# KiCad board RP2040_motor.kicad_pcb (continued)
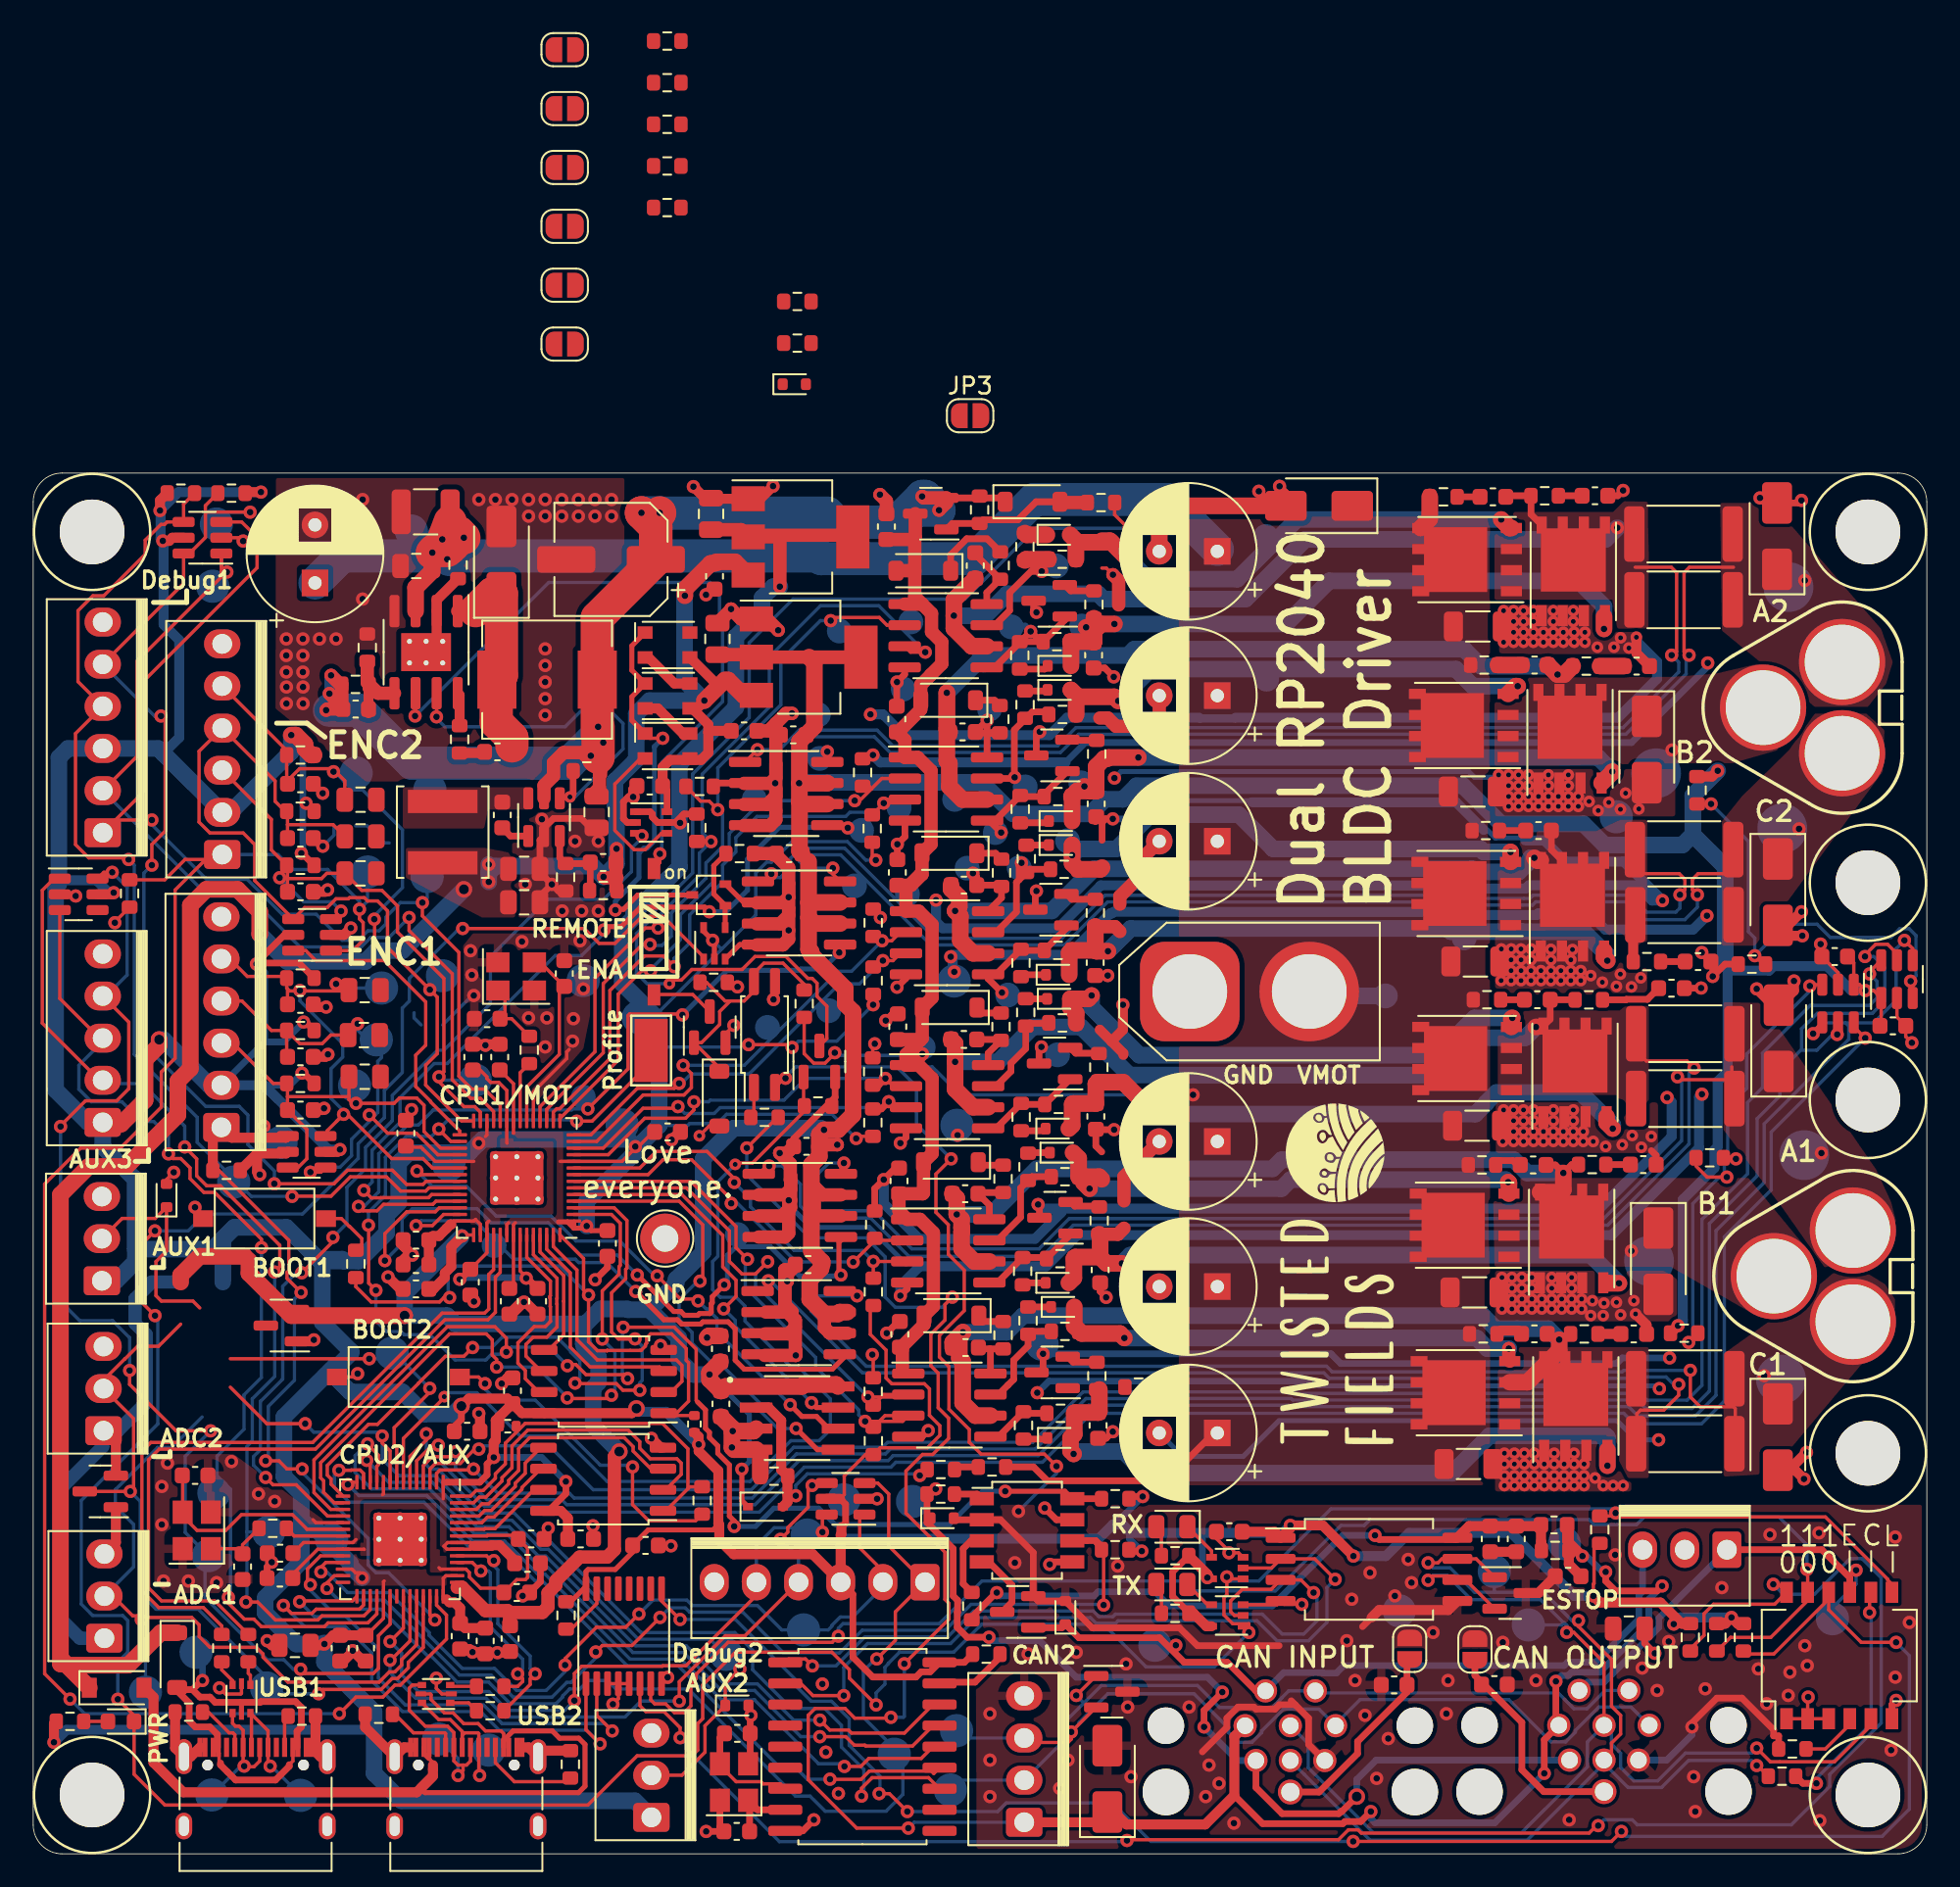
[diagram p0: board, top side]
## Routing (per net, layer and track width the routed paths; a pad name or vN(x,y) marks a point on that pad's centre or on a via; arc(x,y) is an arc through that point) (continued)
/power_and_cpu/AUX1: length 32.6
  Top w0.2: J10.2 5.36,38.31 7.35,38.31 D30.1 8.04,36.34 7.4,35.71 7.4,33.65 7.73,33.33 9.63,33.33 10.04,32.92 ; v2(20.25,29.85) 11.88,29.85 ; U19.8 21.91,24.49 21.75,24.64 21.75,25.69 23.89,27.84 v2(23.89,28.07)
  Bottom w0.2: v2(23.89,28.07) 22.11,29.85 v2(20.25,29.85)
/power_and_cpu/AUX2: length 51.2
  Top w0.2: v2(21.03,25.19) 21.03,24.77 21.51,24.29 U19.9 ; J14.2 39.09,4.74 40.48,6.13 40.48,7.72 D29.1 41.7,10.26 v2(42.58,11.14) ; 11.88,28.13 14.08,25.94 v2(16.39,25.94)
  Bottom w0.2: v2(42.58,11.14) 40.78,12.94 36.46,12.94 31.04,18.36 30.6,18.36 28.84,20.12 26.89,20.12 24.21,22.8 22.04,22.8 21.03,23.8 v2(21.03,25.19) 20.8,25.42 16.91,25.42 v2(16.39,25.94)
/power_and_cpu/AUX3_CSn: length 63.8
  Top w0.2: 4.19,48.98 1.6,51.57 U31.3 ; v2(8.15,42.2) 8.43,41.92 8.89,41.92 9.45,41.36 9.45,40.71 10.28,39.88 10.93,39.88 13.76,37.05 v2(13.76,36.56) ; v2(11.76,15.47) 11.76,15.11 12.72,14.15 13.3,14.15 13.75,13.7 17.55,13.7 17.77,13.93 20.16,13.93 20.71,14.47 U19.32
  Bottom w0.2: 4.19,48.98 2.75,47.54 2.75,46.1 3.51,45.34 5.35,45.34 6.54,44.15 7.27,44.15 8.15,43.27 v2(8.15,42.2) ; 11.89,21.98 11.89,15.6 v2(11.76,15.47) ; 11.89,21.98 11.71,21.8 10.74,21.8 ; 11.89,21.98 11.08,22.78 11.08,23.98 12.7,25.6 12.7,27.67 13.75,28.72 13.75,34.19 13.76,34.2 v2(13.76,36.56)
/power_and_cpu/AUX3_RX: length 63.2
  Top w0.2: 4.19,46.44 0.55,50.08 0.55,58.1 1.25,58.8 U31.1 ; v2(12.82,15.18) 13.52,15.18 14.6,14.1 17.15,14.1 17.4,14.35 19.93,14.35 20.31,14.73 U19.31 ; v2(14.54,35.08) 14.86,35.4 14.86,36.69 11.27,40.28 10.45,40.28 9.85,40.88 9.85,41.9 v2(9.13,42.62)
  Bottom w0.2: TP35.1 12.88,19.4 ; 12.88,19.4 12.88,15.24 v2(12.82,15.18) ; 12.88,19.4 12.88,24.57 13.2,24.89 13.2,27.43 14.55,28.78 14.55,35.07 v2(14.54,35.08) ; 4.19,46.44 6.56,46.44 9.13,43.87 v2(9.13,42.62)
/power_and_cpu/AUX3_SCK: length 74.1
  Top w0.2: U31.6 4.26,59.18 v2(4.76,59.18) ; U19.34 21.51,13.86 20.8,13.15 20.8,11.18 20.49,10.88 16.37,10.88 v2(16.11,11.13) ; v2(1.65,43.85) 1.65,43.9 3.15,45.4 5.03,45.4 5.76,46.13 5.76,50.15 J15.4 4.19,51.52 ; v2(10.69,25.5) 8.61,25.5 5.81,28.3 v2(5.81,29.14)
  Bottom w0.2: v2(5.81,29.14) 5.81,31.12 4.78,32.15 2.8,32.15 1.65,33.3 v2(1.65,43.85) ; v2(16.11,11.13) 15.67,11.13 15.1,11.7 14.1,11.7 10.35,15.45 10.35,17.76 TP37.1 9.16,19.38 9.16,23.97 v2(10.69,25.5) ; 4.19,51.52 5.66,52.99 5.66,58.28 v2(4.76,59.18)
/power_and_cpu/BS: length 2
  Top w0.6: R98.1 25.7,69.86 U33.8
/power_and_cpu/CAN0_N: length 71.8
  Top w0.2: J17.8 94.65,11.53 92.83,13.35 v2(92.4,13.35) ; v2(103.85,6.38) 104.67,5.55 108.54,5.55 110.73,7.74 110.73,8 ; D1.2 86.32,16.52 U17.6 85.58,16.75 84.31,16.75 v2(84.05,16.49)
  Bottom w0.2: TP56.1 92.1,13.8 92.24,13.94 92.4,13.78 ; v2(92.4,13.35) 92.4,13.78 ; v2(92.4,13.35) 92.4,13.78 ; v2(92.4,13.35) 92.4,13.74 90.82,15.33 86.66,15.33 85.19,16.79 84.35,16.79 v2(84.05,16.49) ; J2.8 76.82,6.65 76.82,5.19 80.74,1.28 89.67,1.28 93.65,5.25 93.65,6.75 J17.8 95.1,7.3 95.1,6.61 95.65,6.06 95.65,5.2 96.45,4.4 97.88,4.4 99.56,6.08 103.55,6.08 v2(103.85,6.38)
/power_and_cpu/CAN0_P: length 61
  Top w0.2: v2(93.11,14.06) 93.11,13.71 95.1,11.72 95.1,8.9 95.65,8.35 95.65,7.23 95.1,6.68 95.1,6.1 J17.5 ; 87.88,16.8 87.94,16.8 86.95,17.79 U17.7 84.88,17.79 84.64,17.54 v2(84.05,17.54) ; v2(103.85,5.33) 103.91,5.33 R9.1
  Bottom w0.2: v2(93.11,14.06) 92.94,14.23 ; v2(93.11,14.06) 93.04,14.06 ; v2(93.11,14.06) 92.72,14.06 91.01,15.78 88.05,15.78 ; v2(84.05,17.54) 84.35,17.24 85.37,17.24 86.84,15.78 88.05,15.78 ; v2(103.85,5.33) 103.55,5.62 99.74,5.62 98.12,4 96.1,4 94.65,5.45 ; TP60.1 88.04,15.79 88.05,15.78 ; 94.65,5.45 90.03,0.83 80.56,0.83 76.59,4.79 76.58,4.79 J2.5 ; 94.65,5.45 J17.5
/power_and_cpu/CAN1_N: length 51.5
  Top w0.2: 59.71,6.98 59.98,6.72 62.35,6.72 62.55,6.92 v2(62.55,7.35) 64.03,8.83 D40.2
  Bottom w0.2: 59.71,6.98 56.08,6.98 TP53.1 ; J17.3 96.28,8.85 94.34,8.85 92.92,7.44 92.92,7.34 92.34,6.75 91.46,6.75 88.91,9.3 79.96,9.3 78.47,7.82 J2.3 77.47,8.73 75.34,8.73 74.03,7.41 74.03,7.31 73.44,6.73 72.61,6.73 72.03,7.31 72.03,7.58 69.95,9.65 64.75,9.65 63.02,7.92 63.02,7.82 v2(62.55,7.35)
/power_and_cpu/CAN1_P: length 49.3
  Top w0.2: D40.1 64.03,10.73 v2(62.85,9.55) ; 59.99,4.72 59.71,4.44
  Bottom w0.2: 63.31,9.09 61.85,7.64 61.85,6.58 59.71,4.44 55.86,4.44 TP50.1 ; 63.31,9.09 v2(62.85,9.55) ; 63.31,9.09 64.36,10.15 70.15,10.15 71.47,8.83 74.66,8.83 75.25,9.41 75.25,9.43 75.65,9.83 J2.2 ; J2.2 77.38,9.7 91.89,9.7 92.84,8.75 93.62,8.75 94.72,9.85 J17.2 95.94,9.64 ; J2.2 77.04,9.61
/power_and_cpu/CANH0_P_JP: length 14.5
  Top w0.2: 110.73,15.62 SW3.8 110.65,15.69 v2(110.65,14.55)
  Top w0.4: R9.2 106.63,4.25 v2(107.45,4.25)
  Bottom w0.2: v2(110.65,14.55) 110.75,14.45 110.75,7.85 107.45,4.55 v2(107.45,4.25)
/power_and_cpu/DRIVER_ENABLE: length 60.9
  Top w0.2: v1(42.3,41.57) 42.38,41.65 43.34,41.65 46.42,44.73 Q9.1 ; U19.7 22.31,25.05 24.77,27.51 v1(24.77,27.56)
  Bottom w0.2: v1(24.77,27.56) 25,27.8 26.73,27.8 29.34,25.19 31.84,25.19 34.58,22.45 43.2,22.45 45.66,24.91 47.36,24.91 48.03,25.58 48.03,27.43 46.11,29.35 45.66,29.35 42.89,32.12 42.89,33.02 42.35,33.56 41.4,33.56 40.94,34.02 40.94,35.71 41.25,36.02 41.25,40.52 v1(42.3,41.57)
/power_and_cpu/ENC1_CS: length 32.1
  Top w0.2: R56.2 15.27,48.1 C61.2 ; R56.2 16.07,48.85 17.42,48.85 17.94,49.37 C88.1 18.98,49.48 v2(19.55,50.05) ; R56.2 14.36,49.64 12.58,51.42 J3.4 ; U29.4 17.34,41.1 v2(16.7,41.1) ; v2(20.25,44.55) 21.35,43.45 23.08,43.45 24.38,42.15 U15.32
  Bottom w0.2: 20.56,49.58 20.56,49.05 20.36,48.85 ; 20.36,48.85 20.99,48.22 20.99,48.01 20.76,47.78 20.76,44.7 20.61,44.55 v2(20.25,44.55) 20.25,44.15 19.18,43.08 19.18,42.09 18.49,41.4 17,41.4 v2(16.7,41.1) ; 20.36,48.85 19.55,49.66 v2(19.55,50.05)
/power_and_cpu/ENC1_RX: length 25.8
  Top w0.2: 19.02,45.68 C87.2 ; 19.02,45.68 19,45.65 15.32,45.65 ; 19.02,45.68 19.02,45.48 19.25,45.25 v2(19.45,45.25) 21.75,45.25 22.07,45.57 23.11,45.57 23.55,45.13 23.55,43.55 24.55,42.55 U15.31 ; 15.12,45.05 C62.2 ; C62.2 16.49,43.68 16.49,41.91 15.96,41.38 U29.3 ; C62.2 15.32,45.65 ; 15.32,45.65 15.32,46.4 R58.2 14.46,46.45 12.03,48.88 J3.3
/power_and_cpu/ENC1_SCK: length 33.5
  Top w0.2: v2(18.7,44.58) 18.28,44.16 ; v2(18.7,44.58) 18.28,44.16 ; v2(18.7,44.58) 18.94,44.58 21.6,41.92 23.48,41.92 24.05,41.35 U15.34 ; 18.28,44.16 17.72,43.6 17.72,43.38 U29.6 ; 15.32,52.15 15.27,52.2 15.27,52.9 12.9,52.9 11.84,53.96 J3.5 ; 15.32,52.15 15.45,52.03 18.98,52.03 C89.1 18.63,52.08 v2(18.25,52.45) ; 15.32,52.15 C60.2
  Bottom w0.2: v2(18.7,44.58) 18.7,44.79 17.95,45.54 17.95,47.34 18.65,48.04 18.65,48.85 16.07,51.43 v2(16.07,52.05) ; TP20.1 18.5,52.2 v2(18.25,52.45)
/power_and_cpu/ENC2_CS: length 51.5
  Top w0.2: C63.2 15.32,62.05 ; 15.32,62.05 18.07,62.05 C91.2 ; 15.32,62.05 15.32,62.81 R55.2 15.18,62.86 14.57,63.46 14.57,64.69 J4.4 9.99,66.48 9.99,62.21 10.65,61.55 12.65,61.55 13.35,60.85 13.35,58.67 15.67,56.36 16.36,57.05 17.72,57.05 18.25,57.58 18.99,57.58 19.06,57.65 19.95,57.65 20.15,57.45 20.75,57.45 21.35,56.85 21.35,54.65 v2(23.9,52.1) 24.35,51.65 24.35,48.25 23.65,47.55 23.65,46.35 25.81,44.19 U15.28
  Bottom w0.2: 24.84,53.15 24.84,53.04 v2(23.9,52.1)
/power_and_cpu/ENC2_RX: length 40.3
  Top w0.2: v2(18.55,56.84) 18.07,56.36 17.94,56.36 ; v2(14.85,58.85) 15.23,58.85 15.32,58.75 ; C64.2 15.32,58.75 ; 15.32,58.75 15.38,58.8 17.37,58.8 17.68,59.12 C90.2 19.8,58.09 21.01,58.09 21.95,57.15 21.95,55.58 24.75,52.78 24.75,47.15 v2(24.45,46.85) 24.45,46.55 25.95,45.05 26.61,45.05 26.94,44.72 U15.27 ; 15.32,58.75 15.32,59.55 R57.2 14.35,60.53 14.35,62.37 J4.3
  Bottom w0.2: v2(24.45,46.85) 24.65,46.65 TP25.1 ; v2(18.55,56.84) 17.99,57.4 16.3,57.4 v2(14.85,58.85)
/power_and_cpu/ENC2_SCK: length 47.1
  Top w0.2: J4.5 15.32,66.48 15.32,66.31 15.27,66.26 15.27,64.65 16.05,65.43 18.05,65.43 ; v2(18.1,65.24) 18.05,65.29 18.05,65.43 ; 20.45,53.86 20.57,53.98 20.57,56.33 v2(20.55,56.35) ; 20.45,53.86 21.16,53.86 23.65,51.36 23.65,48.75 23.05,48.15 23.05,46.27 23.95,45.37 23.95,45.33 25.7,43.58 U15.29 ; 20.45,53.86 20.45,53.85 17.03,53.85 16.43,54.46 U30.6 ; 18.05,65.43 18.77,64.7 C92.2
  Bottom w0.2: TP23.1 18.18,65.17 v2(18.1,65.24) 18.16,65.24 19.25,64.15 19.84,64.15 22.25,61.74 22.25,58.25 20.55,56.55 v2(20.55,56.35)
/power_and_cpu/ESTOP: length 112.9
  Top w0.2: v2(35.82,28.66) 35.58,28.89 33.31,28.89 32.7,29.5 32.26,29.5 v2(32.19,29.43) ; U15.30 25.17,42.95 24.44,43.68 v2(24.44,43.7) ; v2(28.51,30.25) 28.51,31.09 27.82,31.78 24.95,31.78 16.92,23.75 16.92,21.78 17.93,20.77 U19.17 ; v2(20.65,33.98) 20.21,34.41 20.21,37.89 v2(20.2,37.9) ; 40.04,27.24 39.95,27.32 39.95,30.43 38.63,31.75 35.55,31.75 v2(35.55,31.75) ; 37.68,48.62 37.68,48.18 33.67,44.17 v2(32.75,44.17)
  Top w0.3: 40.04,27.24 40.51,26.76 40.51,25.65 40.75,25.42 40.75,25.1 41.25,24.59 41.25,24.15 41.95,23.45 41.95,20.36 42.24,20.07 v2(42.24,19.74) ; U34.8 62.16,21.86 v2(58.57,21.86)
  Top w0.4: R76.2 U34.8
  Bottom w0.2: v2(20.2,37.9) 20.2,38.68 21.22,39.7 21.22,42 22.49,43.26 24,43.26 v2(24.44,43.7) 24.99,44.25 32.67,44.25 v2(32.75,44.17) ; v2(35.82,28.66) 35.5,28.97 35.5,31.7 v2(35.55,31.75) ; v2(32.19,29.43) 31.07,30.55 28.8,30.55 v2(28.51,30.25) 28.38,30.13 27.63,30.13 27.27,29.78 25.43,29.78 23.9,31.3 22.36,31.3 22.17,31.48 21.29,31.48 20.65,32.13 v2(20.65,33.98)
  Bottom w0.3: v2(58.57,21.86) 57.21,21.86 55.2,19.85 48.32,19.85 47.33,20.84 44.63,20.84 43.53,19.74 v2(42.24,19.74)
/power_and_cpu/ESTOP_SQUARE: length 58.4
  Top w0.4: v2(57.59,13.06) 56.28,13.06 55.68,13.66 55.68,14.56 55.7,14.58 55.7,15.29 55.43,15.55 55.43,18.4 53.85,19.98 R75.1 54.07,21.69 v2(54.38,22) ; 73.67,5.62 73.67,4 75.25,2.42 78.66,2.42 78.79,2.55 78.85,2.55 v3(79.75,3.45) ; v2(71.65,9.75) 70.55,8.65 v2(70.55,7.65)
  Bottom w0.4: v2(70.55,7.65) 72.57,5.62 73.67,5.62 ; v2(57.59,13.06) 57.8,12.85 60.65,12.85 62.85,10.65 70.75,10.65 v2(71.65,9.75) ; 92.57,5.65 80.92,5.65 79.75,4.48 v3(79.75,3.45) ; TP59.1 53.63,21.25 v2(54.38,22)
/power_and_cpu/ESTOP_SWITCH_IN: length 46
  Top w0.2: 68.6,12.3 68.6,12.33 v2(68.85,12.58)
  Top w0.4: Q7.1 61.99,13.64 D32.1 63.01,13.03 67.88,13.03 69.35,11.55 71.95,11.55 73.67,9.83 J2.1
  Bottom w0.2: v2(68.85,12.58) TP61.1
  Bottom w0.4: J2.1 75.35,10.93 77.71,10.93 77.73,10.9 78.52,10.9 78.98,11.35 92.25,11.35 92.45,11.55 94.15,11.55 96.75,14.15 96.75,15.6 96.97,15.82 J8.3
/power_and_cpu/ESTOP_SWITCH_OUT: length 27
  Top w0.2: v2(109.84,17.1) 109.62,16.89 109.22,16.89 108.84,17.27
  Top w0.4: J8.1 107.78,18.34 109.46,16.65 SW3.9
  Bottom w0.2: v2(109.84,17.1) 109.84,16.26 108.41,14.83 108.41,13.68
  Bottom w0.4: J17.1 93.65,10.35 94.65,10.35 97.95,13.65 97.95,14.21 102.06,18.31 J8.1
/power_and_cpu/ESTOP_SWITCH_STATUS: length 61.8
  Top w0.2: U19.27 18.14,16.77 17.71,16.34 17.71,16.01 v2(17.7,16) ; v2(64.5,15) 64.5,18.21 64.02,18.69 64.02,18.89 ; v2(33.9,12.17) 34.29,12.56 36.08,12.56 v2(37.77,14.25)
  Top w0.4: U34.6 62.63,18.89 64.02,18.89 64.37,18.54
  Bottom w0.2: v2(64.5,15) 64.46,15.04 56.51,15.04 54.95,13.48 49.95,13.48 48.58,12.11 45.22,12.11 42.76,14.57 39.55,14.57 39.29,14.83 38.35,14.83 v2(37.77,14.25) ; v2(17.7,16) 18.4,15.3 21.17,15.3 25.69,10.78 27.59,10.78 28.92,9.45 31.26,9.45 32.15,10.34 32.42,10.34 33.9,11.82 v2(33.9,12.17)
/power_and_cpu/FB: length 5.2
  Top w0.6: 20.21,68.77 20.21,70.47 R96.1 20.24,70.28
  Top w0.8: R97.2 20.13,70.62 20.78,69.98 U33.5
/power_and_cpu/GPIO0: length 40.8
  Top w0.2: v2(27.92,29.35) 27.92,29.81 27.66,30.07 27.66,30.99 27.3,31.35 25.09,31.35 17.32,23.58 17.32,22.67 17.5,22.49 17.5,21.8 18.14,21.17 U19.16 ; v2(34.84,27.65) 34.64,27.45 32.22,27.45 v2(32.18,27.49) ; v2(34.29,31.04) 34.29,33.94 35.3,34.95 35.3,35.41 35.37,35.48 35.37,38.02 34.84,38.55 U15.2
  Bottom w0.2: v2(32.18,27.49) 32.18,27.52 30.35,29.35 v2(27.92,29.35) ; v2(34.29,31.04) 35.05,30.28 35.05,27.86 v2(34.84,27.65)
/power_and_cpu/GPIO1: length 42.4
  Top w0.2: v2(32.65,28.38) 32.68,28.35 35.13,28.35 35.53,27.95 v2(36.55,27.95) ; v2(36.26,31.05) 36.25,31.04 35.27,31.04 34.85,31.46 34.85,33.83 35.7,34.68 35.7,35.24 35.77,35.31 35.77,38.18 35.01,38.95 U15.3 ; v2(26.48,30.53) 25.95,30 24.84,30 23.19,28.36 23.19,28.34 20.74,25.89 20.2,25.89 17.72,23.42 17.72,22.84 17.95,22.61 17.95,22.28 U19.15
  Bottom w0.2: v2(36.55,27.95) 36.55,28.4 36.7,28.55 36.7,30.61 v2(36.26,31.05) ; v2(26.48,30.53) 27.63,30.53 28.26,31.15 31.55,31.15 32.39,30.31 32.39,30.25 32.93,29.7 32.93,28.66 v2(32.65,28.38)
/power_and_cpu/GPIO23: length 34.9
  Top w0.2: v2(23.12,41.17) 23.34,40.95 U15.35 ; v2(40.06,33.34) 39.95,33.45 39,33.45 v2(37.6,34.85)
  Top w0.3: v2(45.62,27.08) 46.32,26.37 47.2,26.37 47.93,25.64 U22.6
  Bottom w0.2: v2(23.12,41.17) 24.04,40.25 26.1,40.25 27.9,38.45 31.2,38.45 32.7,36.95 35.34,36.95 37.44,34.85 v2(37.6,34.85) ; v2(45.62,27.08) 41.2,31.49 41.2,32.27 40.61,32.86 40.54,32.86 v2(40.06,33.34)
/power_and_cpu/GPIO24: length 68.5
  Top w0.2: J5.5 9.06,76.6 U43.6 9.41,78.4 10.38,79.36 10.38,80.83 ; v2(7.7,68.6) 7.95,68.35 7.95,61.66 7.15,60.86 v2(7.15,59.61) ; 11.13,82.04 10.38,81.29 10.38,80.83 ; 10.38,80.83 10.45,80.9 13.06,80.9 v2(13.07,80.89) ; U15.36 23.68,40.55 23.49,40.36 22.5,40.36 21.64,41.22 18.94,41.22 18.13,40.4 v2(14.53,40.4)
  Bottom w0.2: v2(13.07,80.89) 11.75,80.89 TP14.1 ; v2(7.7,68.6) 7.31,68.6 J5.5 ; v2(14.53,40.4) 14.53,41.17 12.94,42.76 12.94,44.54 12.41,45.07 10.39,45.07 6.67,48.79 6.67,59.13 v2(7.15,59.61)
/power_and_cpu/GPIO25: length 66.9
  Top w0.2: v2(5.75,59.95) 5.65,60.05 3.35,60.05 2.55,60.85 2.55,67.54 J5.4 2.7,70.67 2.7,74.95 3.6,75.85 4.25,75.85 6.75,78.35 6.75,79.2 7.7,80.15 7.91,80.15 8.06,80.3 U43.4 9.06,81.38 R63.1 ; U15.37 23.84,40.15 23.65,39.96 22.14,39.96 21.28,40.82 19.11,40.82 17.94,39.65 15.61,39.65 v2(15.6,39.64)
  Bottom w0.2: v2(5.75,59.95) 6.09,59.61 6.09,48.2 9.88,44.41 9.88,42.9 13.14,39.64 v2(15.6,39.64)
/power_and_cpu/ID1: length 109.4
  Top w0.2: v2(94.3,1.7) 94.2,1.7 93.75,1.25 80.03,1.25 79.83,1.45 79.25,1.45 78.65,0.85 65.95,0.85 v2(65.91,0.81) ; U35.6 36.56,8.93 36.92,8.57 38.01,8.57 38.98,7.6 v2(38.98,7) ; v2(104.85,16.25) 105.16,16.25 SW3.12 104.94,15.05 101.25,15.05 100.67,14.48 100.67,13.18 100.03,12.53
  Bottom w0.2: v2(38.98,7) 39.35,6.63 39.35,6.35 44.97,0.73 65.83,0.73 v2(65.91,0.81) ; v2(104.85,16.25) 105.45,15.65 107.33,15.65 109.48,17.8 110.19,17.8 111.35,16.64 111.35,7.88 108.25,4.78 108.25,4.06 105.94,1.75 96.65,1.75 96.35,2.05 94.65,2.05 v2(94.3,1.7)
/power_and_cpu/ID2: length 88.5
  Top w0.2: SW3.11 106.92,17.11 v2(106.88,17.15) ; U35.7 37.21,9.28 37.45,9.04 38.11,9.04 38.64,8.51 39.22,8.51 39.63,8.92 39.63,10.24 39.94,10.55 39.94,10.82 41.87,12.75 48.14,12.75 v2(48.51,13.12) ; R12.2 102.28,13.05 104.7,13.05 106.92,15.27 106.92,15.62
  Bottom w0.2: v2(48.51,13.12) 48.51,13.6 48.8,13.88 54.6,13.88 57.17,16.45 69.25,16.45 69.85,15.85 74.85,15.85 78.8,19.8 80.2,19.8 80.55,20.15 93.75,20.15 94.05,19.85 96.61,19.85 97.07,20.31 105.19,20.31 106.88,18.62 v2(106.88,17.15)
/power_and_cpu/ID3: length 108.4
  Top w0.2: SW3.10 108.19,14.71 110.15,12.75 v2(112.25,12.75) ; v2(38.98,14.13) 37.86,15.25 U35.9 ; v2(95.7,1.35) 95.1,0.75 v2(79.54,0.75) ; 108.19,15.62 108.19,15.36 104.88,12.05 103.22,12.05 R11.2 ; v2(50.97,3.63) 51.59,3.63 v2(52.67,2.55)
  Bottom w0.2: v2(52.67,2.55) 58.11,2.55 58.64,3.07 65.03,3.07 67.35,0.75 v2(79.54,0.75) ; v2(38.98,14.13) 42.31,14.13 46.06,10.38 46.06,10.02 46.88,9.2 48.1,9.2 49.17,8.13 49.17,6.54 51.02,4.69 51.02,3.64 50.98,3.64 v2(50.97,3.63) ; v2(112.25,12.75) 113.05,11.95 113.05,2.69 111.41,1.05 96,1.05 v2(95.7,1.35)
/power_and_cpu/LED: length 57.2
  Top w0.2: v2(16.18,35.03) 18.06,36.91 v2(18.06,37.17) ; U10.3 36.44,61.38 v2(36.68,61.38) ; v2(14.01,22.69) 14.45,22.25 15.85,22.25 17.73,20.37 U19.18
  Bottom w0.2: v2(36.68,61.38) 36.68,61.25 36.05,60.62 36.05,59.22 34.38,57.55 31.01,57.55 27.55,54.09 27.55,51.25 24.75,48.45 24.36,48.45 21.64,45.73 21.64,44.21 20.02,42.59 20.02,41.3 18.9,40.18 18.9,38.01 v2(18.06,37.17) ; v2(16.18,35.03) 15.85,35.03 15.03,34.21 15.03,28.62 13.69,27.28 13.69,24.37 13.28,23.95 13.28,23.42 v2(14.01,22.69)
/power_and_cpu/QSPI_SCLK: length 10.6
  Top w0.2: U15.52 30.14,36.12 31.56,34.7 31.56,33.48 31.55,33.47 31.55,33.16 31.56,33.15 31.56,31.76 30.95,31.15 30.12,31.15 29.69,30.72 29.69,30.01 30.59,29.11 U12.6
/power_and_cpu/QSPI_SCLK_2: length 6.6
  Top w0.2: U19.52 27.03,19.97 27.37,20.31 27.77,20.31 29.45,21.98 29.45,22.08 30.58,23.22 U13.6
/power_and_cpu/QSPI_SD0: length 8.2
  Top w0.2: U15.53 30.54,36.29 31.96,34.86 31.96,33.32 31.96,33.32 31.96,33.31 31.96,31.28 31.06,30.38 U12.5
/power_and_cpu/QSPI_SD0_2: length 7.4
  Top w0.2: U19.53 26.87,20.37 27.21,20.71 27.61,20.71 29.05,22.15 29.05,22.35 29.65,22.95 29.65,23.55 30.58,24.49 U13.5
/power_and_cpu/QSPI_SD1: length 16.2
  Top w0.2: U15.55 31.34,36.62 32.76,35.19 32.76,31.01 33.99,29.78 38.76,29.78 39.09,29.45 39.09,28.49 38.44,27.84 U12.2
/power_and_cpu/QSPI_SD1_2: length 19.4
  Top w0.2: U19.55 26.54,21.17 26.88,21.5 27.28,21.5 28.25,22.48 28.25,22.68 28.85,23.28 28.85,24.59 29.81,25.55 35.85,25.55 36.55,24.85 36.55,24.45 37.18,23.82 38.78,23.82 39.05,23.55 39.05,22.88 38.11,21.95 U13.2
/power_and_cpu/QSPI_SD2: length 13.6
  Top w0.2: U15.54 30.94,36.45 32.36,35.03 32.36,30.55 33.55,29.36 37.74,29.36 U12.3
/power_and_cpu/QSPI_SD2_2: length 16
  Top w0.2: U19.54 26.7,20.77 27.04,21.1 27.44,21.1 28.65,22.31 28.65,22.51 29.25,23.11 29.25,24.42 29.91,25.09 35.61,25.09 36.15,24.55 36.15,24.28 37.22,23.22 U13.3
/power_and_cpu/QSPI_SD3: length 12.1
  Top w0.2: U15.51 29.74,35.96 31.16,34.53 31.16,33.65 31.14,33.62 31.14,33.56 31.14,33.56 31.14,33.51 31.15,33.49 31.15,33 31.16,32.98 31.16,32.1 30.86,31.79 30.19,31.79 29.21,30.81 29.21,29.58 29.66,29.14 29.66,28.65 30.46,27.84 U12.7
/power_and_cpu/QSPI_SD3_2: length 6.2
  Top w0.2: U19.51 27.18,19.57 27.22,19.6 27.82,19.6 30.17,21.95 U13.7
/power_and_cpu/QSPI_SS: length 38.7
  Top w0.2: U15.56 33.16,35.89 33.16,33.99 v2(33.46,33.69) 33.46,30.87 34,30.34 34.58,30.34 34.59,30.35 34.6,30.35 35.97,30.35 35.97,30.35 36.55,30.35 36.56,30.35 36.63,30.35 36.89,30.62 36.89,30.72 36.96,30.79 36.96,31.1 37.21,31.35 38.46,31.35 39.35,30.46 39.35,29.75 39.49,29.61 39.49,27.29 38.77,26.57 U12.1 38.13,26.43 R42.2 ; v2(25.09,33.54) 24.75,33.54 24.49,33.28 20.36,33.28 19.44,34.2 R41.1
  Bottom w0.2: v2(33.46,33.69) 31.71,35.44 25.51,35.44 25,34.93 25,33.63 v2(25.09,33.54)
/power_and_cpu/QSPI_SS_2: length 22.6
  Top w0.2: 39.45,22.01 38.11,20.68 U13.1 ; 39.45,22.01 39.57,22.13 R66.1 ; 39.45,22.01 39.45,24.42 37.92,25.95 29.64,25.95 28.45,24.76 28.45,23.51 27.85,22.91 27.85,22.64 27.11,21.9 26.69,21.9 26.36,21.57 U19.56
/power_and_cpu/RXD: length 46.1
  Top w0.2: U23.2 74.61,17.23 U17.2 77.22,17.79 v2(78.45,16.55) ; U18.2 46.25,10.27 46.98,9.54 v2(48.84,9.54)
  Bottom w0.2: v2(48.84,9.54) 48.84,11.24 50.28,12.68 55.28,12.68 56.84,14.24 63.7,14.24 64.04,13.9 65.22,13.9 65.37,14.05 73.74,14.05 74.94,12.85 76.85,12.85 77.95,13.95 77.95,16.05 v2(78.45,16.55)
/power_and_cpu/RXI_2: length 46
  Top w0.2: v2(21.5,11.67) 21.54,11.67 22.7,12.83 22.7,14.78 22.71,14.78 U19.37 ; J12.4 42.89,13.15 41.7,13.15 38.93,10.38 v2(38.93,9.21) ; v2(45.03,18.96) 45.47,19.4 45.47,19.67 46.69,20.89 46.69,22.15 46.9,22.36 U3.4 47.08,22.36 v2(46.93,22.21)
  Bottom w0.2: J12.4 46.12,17.87 v2(45.03,18.96) ; 49.01,22.18 46.97,22.18 v2(46.93,22.21) ; v2(38.93,9.21) 36.62,9.21 35.66,8.25 28.42,8.25 27.29,9.38 23.05,9.38 21.5,10.93 v2(21.5,11.67)
/power_and_cpu/SCL1: length 33.3
  Top w0.2: U35.1 33.31,7.48 v2(34.16,6.63) ; v2(15.08,14.98) 15.55,14.5 16.8,14.5 17.05,14.75 19.66,14.75 19.91,15 U19.30
  Bottom w0.2: v2(15.08,14.98) 16.35,13.7 18.8,13.7 20.4,12.1 20.4,10.43 22.25,8.58 26.96,8.58 28.09,7.45 33.34,7.45 v2(34.16,6.63)
/power_and_cpu/SDA1: length 29.9
  Top w0.2: U19.29 19.23,15.25 16.1,15.25 v2(16.05,15.2) ; v2(34.89,7.41) 33.96,8.34 U35.2
  Bottom w0.2: v2(16.05,15.2) 16.95,14.3 18.85,14.3 20.8,12.35 20.8,10.6 22.42,8.98 27.12,8.98 28.25,7.85 34.45,7.85 v2(34.89,7.41)
/power_and_cpu/SPI1_CSn_2: length 43.4
  Top w0.2: v2(20.1,23.72) 20.31,23.52 U19.12 ; v2(47.4,8.06) 48,7.46 49.13,7.46 49.31,7.28 52.5,7.28 54.22,9 U18.16
  Bottom w0.2: v2(20.1,23.72) 21.42,22.4 24.05,22.4 26.73,19.72 28.68,19.72 30.43,17.96 30.88,17.96 36.3,12.54 39.36,12.54 41.65,10.25 43.63,10.25 45.82,8.06 v2(47.4,8.06)
/power_and_cpu/SPI1_INT: length 48
  Top w0.2: U19.6 22.71,23.97 23.69,24.95 v2(23.69,25.33) ; U18.12 53.95,4.59 50.55,4.59 49.91,3.95 v2(49.91,3.48)
  Bottom w0.2: v2(23.69,25.33) 23.69,23.45 23.94,23.2 24.38,23.2 27.03,20.55 28.98,20.55 30.77,18.76 31.21,18.76 36.63,13.34 42.28,13.34 43.35,12.27 43.35,11.1 45.68,8.76 47.69,8.76 48.7,7.75 48.7,6.44 50.05,5.09 50.05,3.62 v2(49.91,3.48)
/power_and_cpu/SPI1_RX_2: length 47.3
  Top w0.2: U18.15 54.22,7.73 52.99,6.5 50.17,6.5 50.12,6.55 49.47,6.55 48.96,7.06 v2(47.4,7.06) ; v2(20.15,24.72) 20.39,24.48 20.39,24.45 20.8,24.04 20.8,23.46 20.71,23.37 U19.11
  Bottom w0.2: v2(20.15,24.72) 20.15,24.76 19.4,24.01 19.4,22.99 20.39,22 23.88,22 26.56,19.32 28.51,19.32 30.43,17.4 30.87,17.4 36.13,12.14 39.19,12.14 41.48,9.85 43.47,9.85 46.25,7.06 v2(47.4,7.06)
/power_and_cpu/SPI1_SCK_2: length 47.4
  Top w0.2: v2(18.42,23.13) 19.15,23.13 19.16,23.14 19.7,23.14 19.91,22.94 U19.13 ; v2(48.01,4.5) 48.02,4.49 49.88,4.49 50.38,4.99 54.11,4.99 54.26,4.84 U18.13
  Bottom w0.2: v2(48.01,4.5) 46.64,4.5 45.74,5.4 44.8,5.4 38.86,11.34 35.8,11.34 30.67,16.47 30.23,16.47 28.25,18.45 26.3,18.45 23.55,21.2 19.04,21.2 18.15,22.09 18.15,22.86 v2(18.42,23.13)
/power_and_cpu/SPI1_TX_2: length 43.8
  Top w0.2: v2(18.96,22.27) 19.1,22.4 U19.14 ; v2(48.88,5.27) 49.87,5.27 50.35,5.75 53.51,5.75 54.22,6.46 U18.14
  Bottom w0.2: v2(18.96,22.27) 19.63,21.6 23.72,21.6 26.46,18.85 28.41,18.85 30.39,16.87 30.83,16.87 35.96,11.74 39.03,11.74 41.48,9.29 43.46,9.29 47.32,5.43 48.72,5.43 v2(48.88,5.27)
/power_and_cpu/SW: length 12.8
  Top w0.8: U33.1 26.63,74.93 26.65,74.95
  Top w2: 28.85,66.8 28.85,67.28 27.9,68.23 27.9,70.75 L3.1 28.21,71.07 28.21,75.98 27.68,75.98 26.65,74.95
/power_and_cpu/SWCLK: length 65.4
  Top w0.2: U43.3 12.56,80.3 13.49,79.37 13.49,77.54 6.75,70.8 6.75,64.12 J5.1 4.96,62.33 v2(7.15,62.33) ; v2(23.45,57.35) 23.45,56.55 25.65,54.35 25.65,46.88 26.42,46.11 27.19,46.11 28.14,45.16 U15.24
  Bottom w0.2: TP10.1 23.74,57.64 v2(23.45,57.35) 22.13,57.35 21.25,56.48 21.25,56.06 20.84,55.65 20.17,55.65 19.6,55.08 18.62,55.08 17.05,56.65 15,56.65 12.9,58.75 10.45,58.75 7.15,62.05 v2(7.15,62.33)
/power_and_cpu/SWCLK_2: length 70
  Top w0.2: U3.3 50.89,22.36 51.55,21.69 51.55,18.57 J12.1 51.95,14.59 51.95,12.87 v2(50.83,11.75) ; U19.24 17.31,17.97 16.53,17.18 16.53,16.4 v2(16.7,16.23)
  Bottom w0.2: v2(50.83,11.75) 50.75,11.75 50.02,11.02 50.02,8.23 51.88,6.36 TP28.1 52.4,5.49 52.4,3.58 51.39,2.57 47.72,2.57 46.81,3.48 45.93,3.48 39.47,9.94 35.11,9.94 34.6,10.45 33.45,10.45 32.94,9.94 32.32,9.94 31.91,9.53 31.91,9.46 31.5,9.05 28.75,9.05 27.44,10.36 25.54,10.36 23.99,11.91 23.79,11.91 20.95,14.75 17.84,14.75 16.7,15.89 v2(16.7,16.23)
/power_and_cpu/SWD: length 57.5
  Top w0.2: v2(22.65,56.45) 22.65,55.66 25.25,53.06 25.25,46.67 26.37,45.55 26.95,45.55 27.74,44.76 U15.25 ; J5.2 6.25,66.16 6.25,71.9 11.34,76.99 U43.1 11.34,77.61 v2(11.67,77.28)
  Bottom w0.2: J5.2 10.24,58.05 12.7,58.05 16.07,54.68 19.77,54.68 20.34,55.25 21.45,55.25 v2(22.65,56.45) ; v2(11.67,77.28) TP11.1
/power_and_cpu/SWD_2: length 48.4
  Top w0.2: v2(32.05,11.38) 32.05,11.77 33.94,13.66 35.7,13.66 v2(36.5,14.46) ; U19.25 17.63,17.57 17.34,17.27 v2(17.34,17) ; U3.1 49.93,20.46 49.8,20.32 49.8,18.45 51.2,17.05 J12.2
  Bottom w0.2: v2(32.05,11.38) 32.05,11 30.91,9.85 29.13,9.85 27.8,11.18 25.85,11.18 23.86,13.17 23.86,13.34 21.44,15.76 18.93,15.76 17.69,17 v2(17.34,17) ; J12.2 51.2,16.09 49.39,14.28 48.63,14.28 48.11,13.76 48.11,13.71 47.9,13.5 45.11,13.5 43.64,14.97 39.71,14.97 39.39,15.3 37.34,15.3 v2(36.5,14.46)
/power_and_cpu/TH_MOTOR1: length 48
  Top w0.2: v2(13.9,43.88) 13.9,43.23 13.85,43.18 ; v2(16.14,33.85) 15.29,34.7 15.29,35.06 15.4,35.16 15.4,36.99 11.18,41.21 R74.1 ; v2(16.21,23.21) 15.29,23.21 14.81,23.69 v2(14.01,23.69) ; U19.40 23.91,14.4 v2(24.2,14.1)
  Top w0.6: U29.1 15.24,43.18 11.96,43.18 J3.1 10.82,43.29 R74.1
  Bottom w0.2: 15.69,42.15 13.96,43.88 v2(13.9,43.88) ; v2(16.14,33.85) 15.74,33.45 15.74,28.55 14.17,26.98 14.17,23.86 v2(14.01,23.69) ; v2(24.2,14.1) 24.2,14.16 21.41,16.95 20.65,16.95 20.18,17.42 20.18,19.02 16.3,22.9 16.3,23.11 v2(16.21,23.21)
/power_and_cpu/TH_MOTOR2: length 108.6
  Top w0.2: v2(18.45,8.45) 19.45,9.45 21.07,9.45 21.79,10.17 22.12,10.17 24.9,12.95 24.9,14.4 24.31,14.99 U19.41 ; U30.1 19.26,54.46 19.88,55.08 19.88,56.15 19.66,56.37 19.66,57.23 ; R79.1 7.93,58.73 9.15,59.95 11.09,59.95 J4.1 10.69,60.25 8.55,58.11 8.55,47.97 7.72,47.14 7.72,45.02 5.25,42.55 2.86,42.55 0.69,40.38 0.69,10.86 v2(2.22,9.33)